# Altium PCB NURIP.PcbDoc (part 7 of 14)
Units mil, origin at the board's own origin, x right, y up, seen from the top; angles counter-clockwise.
Board outline 7096.64 x 6702.94 mil, 6 copper layers (L1, L2, L3, L4, L5, L6), stack 48.469 mil thick; 305 components, 426 nets, 2172 pads, 1040 vias.
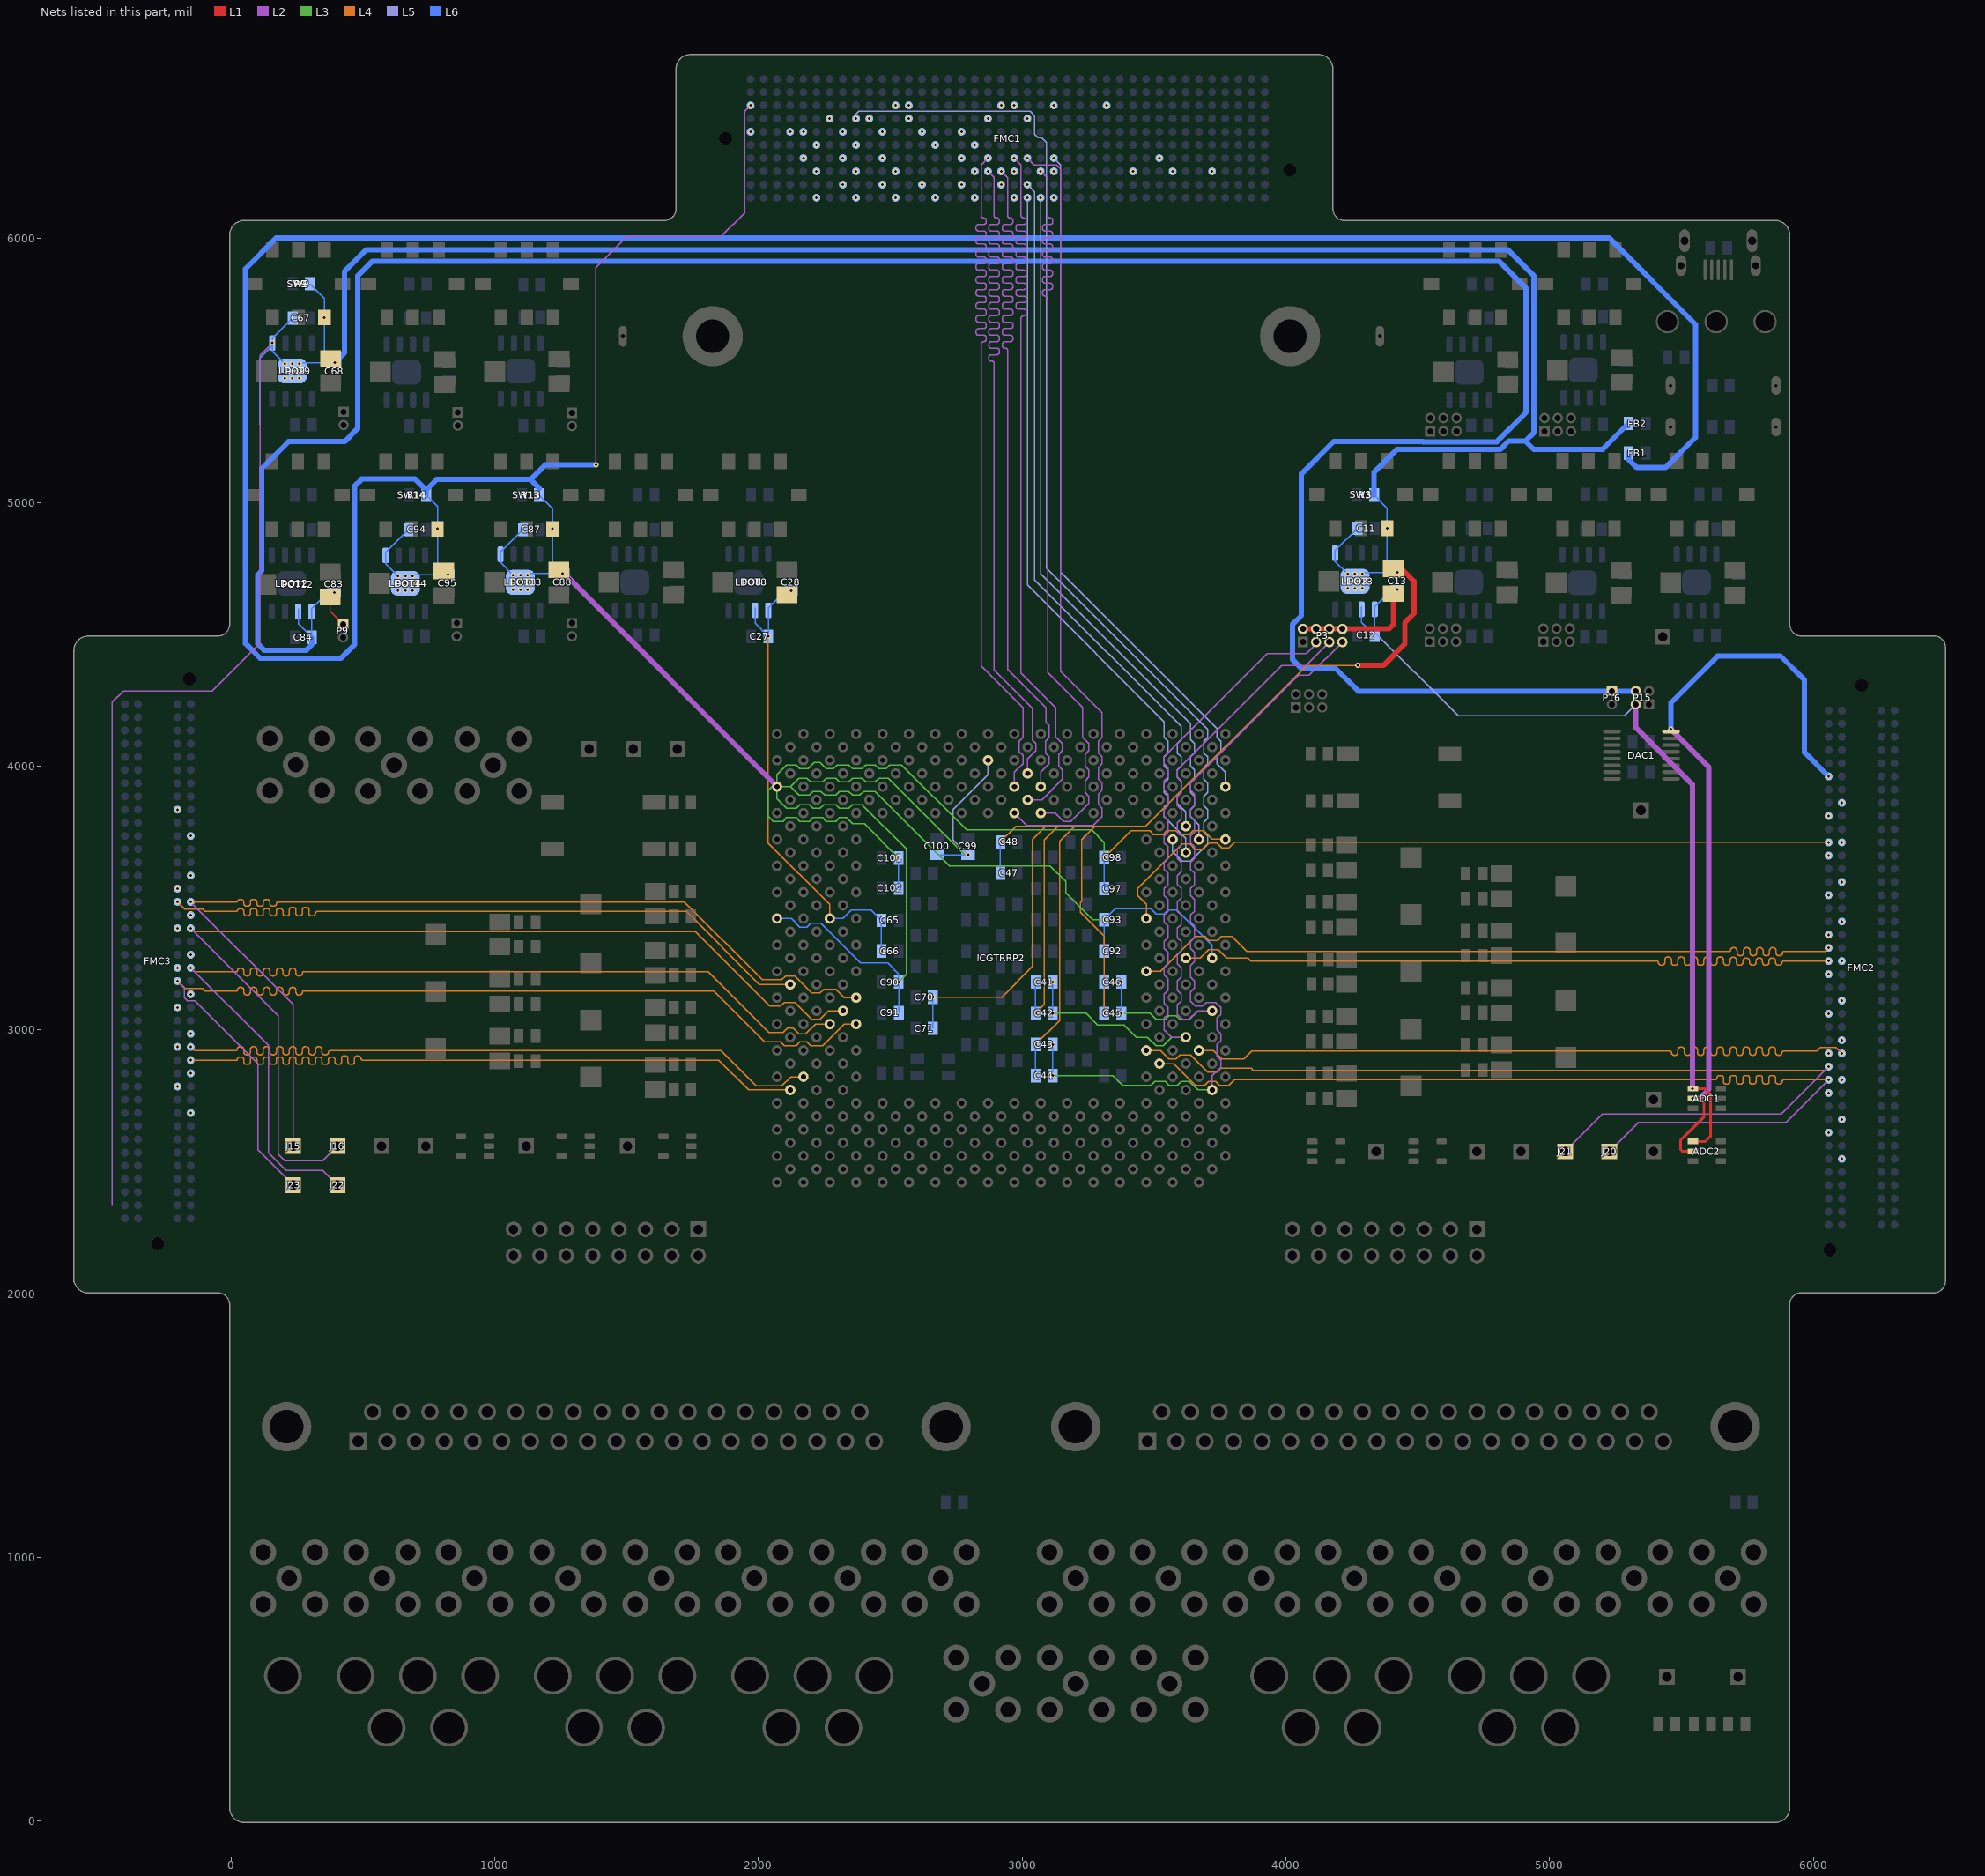
[diagram p11: the nets of this part, all layers, seen from the top]

## Via types
v1: diameter 20, hole 10, L1 to L6, tented both sides, 908 vias
v2: diameter 19.68, hole 7.87, L1 to L6, 126 vias
v3: diameter 196.85, hole 118.11, L1 to L6, 6 vias

## Nets (pads, with @x,y where several pads share a name; then routed paths per layer and width w, separated by ;. In a path a pad name is that pad's centre, name@x,y a point inside that pad or via, vN(x,y) a via of type N, cw(c..) or ccw(c..) an arc to the next point about the centre after c; other vN are vias at no path point) (continued)
CLK_LATCH_C: FMC2.G27 ICGTRRP2.L3 | length 2847.3
  L4 w5: ICGTRRP2.L3@3670.71,2922.2 3725.19,2922.2 3757.38,2890.02 3840.81,2890.02 3870.08,2919.29 5457.07,2919.29 cw(c5457.07,2914.65) 5461.71,2914.65 ccw(c5472.82,2914.65) 5472.82,2903.54 5475.29,2903.54 ccw(c5475.29,2914.65) 5486.4,2914.65 5486.4,2923.93 cw(c5497.51,2923.93) 5497.51,2935.04 5499.98,2935.04 cw(c5499.98,2923.93) 5511.08,2923.93 5511.08,2914.65 ccw(c5522.19,2914.65) 5522.19,2903.54 5524.66,2903.54 ccw(c5524.66,2914.65) 5535.77,2914.65 5535.77,2923.93 cw(c5546.88,2923.93) 5546.88,2935.04 5549.35,2935.04 cw(c5549.35,2923.93) 5560.45,2923.93 5560.45,2914.65 ccw(c5571.56,2914.65) 5571.56,2903.54 5574.03,2903.54 ccw(c5574.03,2914.65) 5585.14,2914.65 5585.14,2923.93 cw(c5596.25,2923.93) 5596.25,2935.04 5598.72,2935.04 cw(c5598.72,2923.93) 5609.82,2923.93 5609.82,2914.65 ccw(c5620.93,2914.65) 5620.93,2903.54 5623.4,2903.54 ccw(c5623.4,2914.65) 5634.51,2914.65 5634.51,2923.93 cw(c5645.62,2923.93) 5645.62,2935.04 5648.09,2935.04 cw(c5648.09,2923.93) 5659.19,2923.93 5659.19,2914.65 ccw(c5670.3,2914.65) 5670.3,2903.54 5672.77,2903.54 ccw(c5672.77,2914.65) 5683.88,2914.65 5683.88,2923.93 cw(c5694.99,2923.93) 5694.99,2935.04 5697.46,2935.04 cw(c5697.46,2923.93) 5708.56,2923.93 5708.56,2914.65 ccw(c5719.67,2914.65) 5719.67,2903.54 5722.14,2903.54 ccw(c5722.14,2914.65) 5733.25,2914.65 5733.25,2923.93 cw(c5744.36,2923.93) 5744.36,2935.04 5746.83,2935.04 cw(c5746.83,2923.93) 5757.93,2923.93 5757.93,2914.65 ccw(c5769.04,2914.65) 5769.04,2903.54 5771.51,2903.54 ccw(c5771.51,2914.65) 5782.62,2914.65 5782.62,2923.93 cw(c5793.73,2923.93) 5793.73,2935.04 5796.2,2935.04 cw(c5796.2,2923.93) 5807.3,2923.93 5807.3,2914.65 ccw(c5818.41,2914.65) 5818.41,2903.54 5820.88,2903.54 ccw(c5820.88,2914.65) 5831.99,2914.65 5831.99,2923.93 cw(c5843.1,2923.93) 5843.1,2935.04 5845.57,2935.04 cw(c5845.57,2923.93) 5856.67,2923.93 5856.67,2914.65 ccw(c5867.78,2914.65) 5867.78,2903.54 5870.25,2903.54 ccw(c5870.25,2914.65) 5881.36,2914.65 cw(c5886,2914.65) 5886,2919.29 6013.78,2919.29 6027.85,2933.37 6085.57,2933.37 v1(6108.07,2910.87)
CLK_LATCH_D: FMC3.G25 ICGTRRP2.T34 | length 2697.1
  L4 w5: v1(-202.56,3485.2) -175.06,3457.7 -107.3,3457.7 -98.43,3448.82 22.15,3448.82 ccw(c22.15,3450.83) 24.15,3450.83 cw(c32.79,3450.83) 32.79,3459.47 40.2,3459.47 cw(c40.2,3450.83) 48.84,3450.83 48.84,3441.71 ccw(c57.48,3441.71) 57.48,3433.07 64.88,3433.07 ccw(c64.88,3441.71) 73.52,3441.71 73.52,3450.83 cw(c82.16,3450.83) 82.16,3459.47 89.57,3459.47 cw(c89.57,3450.83) 98.21,3450.83 98.21,3441.71 ccw(c106.85,3441.71) 106.85,3433.07 114.25,3433.07 ccw(c114.25,3441.71) 122.89,3441.71 122.89,3450.83 cw(c131.53,3450.83) 131.53,3459.47 138.94,3459.47 cw(c138.94,3450.83) 147.58,3450.83 147.58,3441.71 ccw(c156.22,3441.71) 156.22,3433.07 163.62,3433.07 ccw(c163.62,3441.71) 172.26,3441.71 172.26,3450.83 cw(c180.9,3450.83) 180.9,3459.47 188.31,3459.47 cw(c188.31,3450.83) 196.95,3450.83 196.95,3441.71 ccw(c205.59,3441.71) 205.59,3433.07 212.99,3433.07 ccw(c212.99,3441.71) 221.63,3441.71 221.63,3455.93 cw(c230.27,3455.93) 230.27,3464.57 237.68,3464.57 cw(c237.68,3455.93) 246.32,3455.93 246.32,3441.71 ccw(c254.96,3441.71) 254.96,3433.07 262.36,3433.07 ccw(c262.36,3441.71) 271,3441.71 271,3455.93 cw(c279.64,3455.93) 279.64,3464.57 287.05,3464.57 cw(c287.05,3455.93) 295.69,3455.93 295.69,3441.71 ccw(c304.33,3441.71) 304.33,3433.07 311.73,3433.07 ccw(c311.73,3441.71) 320.37,3441.71 cw(c327.48,3441.71) 327.48,3448.82 1727.03,3448.82 2003.64,3172.2 ICGTRRP2.T34@2120.71,3172.2
CLK_SPI: FMC2.H20 ICGTRRP2.V4 | length 2853
  L4 w5: ICGTRRP2.V4@3620.71,3272.2 3675.19,3272.2 3707.38,3304.39 3743.01,3304.39 3775.74,3271.65 3856.3,3271.65 3867.09,3260.87 5407.7,3260.87 cw(c5407.7,3256.23) 5412.34,3256.28 ; 5412.34,3256.23 ccw(c5423.45,3256.28) 5423.45,3245.17 5425.92,3245.17 ccw(c5425.92,3256.28) 5437.03,3256.28 5437.03,3265.45 cw(c5448.14,3265.45) 5448.14,3276.56 5450.61,3276.56 cw(c5450.61,3265.45) 5461.71,3265.45 5461.71,3256.28 ccw(c5472.82,3256.28) 5472.82,3245.17 5475.29,3245.17 ccw(c5475.29,3256.28) 5486.4,3256.28 5486.4,3265.45 cw(c5497.51,3265.45) 5497.51,3276.56 5499.98,3276.56 cw(c5499.98,3265.45) 5511.08,3265.45 5511.08,3256.28 ccw(c5522.19,3256.28) 5522.19,3245.17 5524.66,3245.17 ccw(c5524.66,3256.28) 5535.77,3256.28 5535.77,3265.45 cw(c5546.88,3265.45) 5546.88,3276.56 5549.35,3276.56 cw(c5549.35,3265.45) 5560.45,3265.45 5560.45,3256.28 ccw(c5571.56,3256.28) 5571.56,3245.17 5574.03,3245.17 ccw(c5574.03,3256.28) 5585.14,3256.28 5585.14,3265.45 cw(c5596.25,3265.45) 5596.25,3276.56 5598.72,3276.56 cw(c5598.72,3265.45) 5609.82,3265.45 5609.82,3256.28 ccw(c5620.93,3256.28) 5620.93,3245.17 5623.4,3245.17 ccw(c5623.4,3256.28) 5634.51,3256.28 5634.51,3265.45 cw(c5645.62,3265.45) 5645.62,3276.56 5648.09,3276.56 cw(c5648.09,3265.45) 5659.19,3265.45 5659.19,3256.28 ccw(c5670.3,3256.28) 5670.3,3245.17 5672.77,3245.17 ccw(c5672.77,3256.28) 5683.88,3256.28 5683.88,3264.27 cw(c5694.99,3264.27) 5694.99,3275.37 5697.46,3275.37 cw(c5697.46,3264.27) 5708.56,3264.27 5708.56,3256.28 ccw(c5719.67,3256.28) 5719.67,3245.17 5722.14,3245.17 ccw(c5722.14,3256.28) 5733.25,3256.28 5733.25,3261.33 cw(c5744.36,3261.33) 5744.36,3272.43 5746.83,3272.43 cw(c5746.83,3261.33) 5757.93,3261.33 5757.93,3256.28 ccw(c5769.04,3256.28) 5769.04,3245.17 5771.51,3245.17 ccw(c5771.51,3256.28) 5782.62,3256.28 5782.62,3261.33 cw(c5793.73,3261.33) 5793.73,3272.43 5796.2,3272.43 cw(c5796.2,3261.33) 5807.3,3261.33 5807.3,3256.28 ccw(c5818.41,3256.28) 5818.41,3245.17 5820.88,3245.17 ccw(c5820.88,3256.28) 5831.99,3256.28 5831.99,3261.33 cw(c5843.1,3261.33) 5843.1,3272.43 5845.57,3272.43 cw(c5845.57,3261.33) 5856.67,3261.33 5856.67,3256.23 ccw(c5867.78,3256.23) 5867.78,3245.12 5870.25,3245.12 ccw(c5870.25,3256.23) 5881.36,3256.23 cw(c5886,3256.23) 5886,3260.87 v1(6058.07,3260.87)
CPU_EN: FMC1.G24 ICGTRRP2.AL1 | length 2664.1
  L5 w5: v1(3120.24,6304.92) 3145.63,6279.53 3145.63,4736.26 3738.52,4143.37 3738.52,4108.87 3752.89,4094.5 3752.89,4054.24 3738.52,4039.87 3738.52,4008.87 3770.71,3976.69 ICGTRRP2.AL1@3770.71,3922.2
CPU_EXT_IRQ: FMC1.K23 ICGTRRP2.AG3 | length 2717.2
  L5 w5: v1(3070.24,6154.92) 3070.24,4728.98 3637.8,4161.42 3637.8,4100.63 3652.89,4085.54 3652.89,4049.91 3638.52,4035.54 3638.52,3999.91 3652.89,3985.54 3652.89,3949.91 3638.52,3935.54 3638.52,3899.91 3652.89,3885.54 3652.89,3849.91 3638.52,3835.54 3638.52,3808.87 3670.71,3776.69 ICGTRRP2.AG3@3670.71,3722.2
D: FMC2.H29 ICGTRRP2.K6 J20.1 | length 3770.8
  L2 w5: J20.1@5226.38,2539.37 5336.61,2649.61 5896.81,2649.61 v1(6058.07,2810.87)
  L4 w5: ICGTRRP2.K6@3520.71,2872.2 3575.19,2872.2 3657.38,2790.02 3692.36,2790.02 3706.73,2804.39 3734.04,2804.39 3748.41,2790.02 3784.04,2790.02 3804.89,2810.87 5627.4,2810.87 ccw(c5627.4,2817.97) 5634.51,2817.97 cw(c5643.15,2817.97) 5643.15,2826.61 5650.55,2826.61 cw(c5650.55,2817.97) 5659.19,2817.97 5659.19,2803.76 ccw(c5667.83,2803.76) 5667.83,2795.12 5675.24,2795.12 ccw(c5675.24,2803.76) 5683.88,2803.76 5683.88,2817.97 cw(c5692.52,2817.97) 5692.52,2826.61 5699.92,2826.61 cw(c5699.92,2817.97) 5708.56,2817.97 5708.56,2803.76 ccw(c5717.2,2803.76) 5717.2,2795.12 5724.61,2795.12 ccw(c5724.61,2803.76) 5733.25,2803.76 5733.25,2817.97 cw(c5741.89,2817.97) 5741.89,2826.61 5749.29,2826.61 cw(c5749.29,2817.97) 5757.93,2817.97 5757.93,2803.76 ccw(c5766.57,2803.76) 5766.57,2795.12 5773.98,2795.12 ccw(c5773.98,2803.76) 5782.62,2803.76 5782.62,2817.97 cw(c5791.26,2817.97) 5791.26,2826.61 5798.66,2826.61 cw(c5798.66,2817.97) 5807.3,2817.97 5807.3,2803.76 ccw(c5815.94,2803.76) 5815.94,2795.12 5823.35,2795.12 ccw(c5823.35,2803.76) 5831.99,2803.76 5831.99,2817.97 cw(c5840.63,2817.97) 5840.63,2826.61 5848.03,2826.61 cw(c5848.03,2817.97) 5856.67,2817.97 5856.67,2803.76 ccw(c5865.31,2803.76) 5865.31,2795.12 5872.72,2795.12 ccw(c5872.72,2803.76) 5881.36,2803.76 cw(c5888.47,2803.76) 5888.47,2810.87 v1(6058.07,2810.87)
D\: FMC2.H28 ICGTRRP2.L7 J21.1 | length 3780.7
  L2 w5: J21.1@5059.06,2539.37 5200.79,2681.1 5878.31,2681.1 v1(6058.07,2860.87)
  L4 w5: ICGTRRP2.L7@3470.71,2922.2 3525.19,2922.2 3557.38,2890.02 3584.04,2890.02 3598.41,2904.39 3638.52,2904.39 3702.89,2840.02 3739.6,2840.02 3753.97,2854.39 3868.17,2854.39 3876.1,2846.46 6043.66,2846.46 v1(6058.07,2860.87)
D\_buff1: FMC3.H23 ICGTRRP2.P30 J16.1 | length 3892.4
  L2 w5: v1(-152.56,3385.2) 179.13,3053.5 179.13,2529.53 204.72,2503.94 348.43,2503.94 J16.1@403.54,2559.06
  L4 w5: v1(-152.56,3385.2) -139.41,3372.05 1761.37,3372.05 2043.4,3090.02 2084.04,3090.02 2098.41,3104.39 2137.74,3104.39 2202.11,3040.02 2234.04,3040.02 2266.23,3072.2 ICGTRRP2.P30@2320.71,3072.2
D\_buff2: FMC3.G19 ICGTRRP2.N29 J23.1 | length 3884.6
  L2 w5: v1(-202.56,3185.2) -177.17,3159.8 -177.17,3122.05 -165.35,3110.24 -135.83,3110.24 102.36,2872.05 102.36,2545.28 J23.1@236.22,2411.42
  L4 w5: v1(-202.56,3185.2) -175.06,3157.7 -108.48,3157.7 -98.43,3147.64 22.32,3147.64 ccw(c22.32,3149.47) 24.15,3149.47 cw(c36.5,3149.47) 36.5,3161.81 cw(c36.5,3149.47) 48.84,3149.47 48.84,3144.23 ccw(c61.18,3144.23) 61.18,3131.89 ccw(c61.18,3144.23) 73.52,3144.23 73.52,3149.47 cw(c85.87,3149.47) 85.87,3161.81 cw(c85.87,3149.47) 98.21,3149.47 98.21,3144.23 ccw(c110.55,3144.23) 110.55,3131.89 ccw(c110.55,3144.23) 122.89,3144.23 122.89,3149.47 cw(c135.24,3149.47) 135.24,3161.81 cw(c135.24,3149.47) 147.58,3149.47 147.58,3144.23 ccw(c159.92,3144.23) 159.92,3131.89 ccw(c159.92,3144.23) 172.26,3144.23 172.26,3149.47 cw(c184.61,3149.47) 184.61,3161.81 cw(c184.61,3149.47) 196.95,3149.47 196.95,3144.23 ccw(c209.29,3144.23) 209.29,3131.89 ccw(c209.29,3144.23) 221.63,3144.23 221.63,3149.47 cw(c233.98,3149.47) 233.98,3161.81 cw(c233.98,3149.47) 246.32,3149.47 246.32,3144.23 ccw(c258.66,3144.23) 258.66,3131.89 ccw(c258.66,3144.23) 271,3144.23 cw(c274.41,3144.23) 274.41,3147.64 1830.71,3147.64 2023.96,2954.39 2084.04,2954.39 2098.41,2940.02 2143.01,2940.02 2157.38,2954.39 2184.04,2954.39 2198.41,2940.02 2243.01,2940.02 2325.19,3022.2 ICGTRRP2.N29@2370.71,3022.2
D_buff1: FMC3.H25 ICGTRRP2.R29 J15.1 | length 3884.9
  L2 w5: v1(-152.56,3485.2) 236.22,3096.42 J15.1@236.22,2559.06
  L4 w5: v1(-152.56,3485.2) 24.15,3485.2 24.15,3485.44 cw(c32.79,3485.44) 32.79,3494.08 40.2,3494.08 cw(c40.2,3485.44) 48.84,3485.44 48.84,3478.09 ccw(c57.48,3478.09) 57.48,3469.45 64.88,3469.45 ccw(c64.88,3478.09) 73.52,3478.09 73.52,3485.44 cw(c82.16,3485.44) 82.16,3494.08 89.57,3494.08 cw(c89.57,3485.44) 98.21,3485.44 98.21,3478.09 ccw(c106.85,3478.09) 106.85,3469.45 114.25,3469.45 ccw(c114.25,3478.09) 122.89,3478.09 122.89,3485.44 cw(c131.53,3485.44) 131.53,3494.08 138.94,3494.08 cw(c138.94,3485.44) 147.58,3485.44 147.58,3478.09 ccw(c156.22,3478.09) 156.22,3469.45 163.62,3469.45 ccw(c163.62,3478.09) 172.26,3478.09 cw(c179.37,3478.09) 179.37,3485.2 1719.53,3485.2 2014.7,3190.02 2088.31,3190.02 2102.68,3204.39 2138.13,3204.39 2202.5,3140.02 2234.04,3140.02 2248.41,3154.39 2293.01,3154.39 2325.19,3122.2 ICGTRRP2.R29@2370.71,3122.2
D_buff2: FMC3.H20 ICGTRRP2.N31 J22.1 | length 3884.7
  L2 w5: v1(-152.56,3235.2) 141.73,2940.91 141.73,2533.46 208.66,2466.54 348.43,2466.54 J22.1@403.54,2411.42
  L4 w5: v1(-152.56,3235.2) -137.83,3220.47 22.03,3220.47 ccw(c22.03,3222.59) 24.15,3222.59 cw(c35.26,3222.59) 35.26,3233.7 37.73,3233.7 cw(c37.73,3222.59) 48.84,3222.59 48.84,3215.83 ccw(c59.95,3215.83) 59.95,3204.72 62.42,3204.72 ccw(c62.42,3215.83) 73.52,3215.83 73.52,3222.59 cw(c84.63,3222.59) 84.63,3233.7 87.1,3233.7 cw(c87.1,3222.59) 98.21,3222.59 98.21,3215.83 ccw(c109.32,3215.83) 109.32,3204.72 111.79,3204.72 ccw(c111.79,3215.83) 122.89,3215.83 122.89,3222.59 cw(c134,3222.59) 134,3233.7 136.47,3233.7 cw(c136.47,3222.59) 147.58,3222.59 147.58,3215.83 ccw(c158.69,3215.83) 158.69,3204.72 161.16,3204.72 ccw(c161.16,3215.83) 172.26,3215.83 172.26,3222.59 cw(c183.37,3222.59) 183.37,3233.7 185.84,3233.7 cw(c185.84,3222.59) 196.95,3222.59 196.95,3215.83 ccw(c208.06,3215.83) 208.06,3204.72 210.53,3204.72 ccw(c210.53,3215.83) 221.63,3215.83 221.63,3222.59 cw(c232.74,3222.59) 232.74,3233.7 235.21,3233.7 cw(c235.21,3222.59) 246.32,3222.59 246.32,3215.83 ccw(c257.43,3215.83) 257.43,3204.72 259.9,3204.72 ccw(c259.9,3215.83) 271,3215.83 cw(c275.64,3215.83) 275.64,3220.47 1809.06,3220.47 2039.51,2990.02 2093.01,2990.02 2110.19,3007.2 2131.23,3007.2 2154.18,2984.25 2178.27,2984.25 2216.23,3022.2 ICGTRRP2.N31@2270.71,3022.2
DAC_VDD: C83.1 C84.1 LDO12.1 LDO12.2 P9.1 P15.4 P16.1 POT12.3 | length 10381.6
  L1 w5: POT12.3@375.98,4641.73 375.98,4587.4 P9.1@425.2,4538.19
  L6 w5: LDO12.2@255.32,4596.46 255.32,4539.96 305.32,4489.96 305.32,4596.46 366.34,4657.48 v1(391.73,4657.48)
  L6 w20: C84.1@307.09,4488.19 307.09,4460.63 286.22,4439.76 125.2,4439.76 101.89,4463.07 101.89,4726.38 116.61,4741.1 116.61,5128.43 218.5,5230.31 431.1,5230.31 480.32,5279.53 480.32,5858.27 535.43,5913.39 4809.06,5913.39 4910.94,5811.5 4910.94,5341.17 4799.78,5230 4519.27,5230 4518.49,5230.79 4181.57,5230.79 4059.06,5108.27 4059.06,4571.08 4024.88,4536.91 4024.88,4404.25 4057.09,4372.05 4187.01,4372.05 4274.8,4284.25 P15.4@5326.77,4284.25
DATA_IN_SPI: FMC2.H19 ICGTRRP2.U7 | length 2847.7
  L4 w5: ICGTRRP2.U7@3470.71,3222.2 3525.19,3222.2 3657.38,3354.39 3693.01,3354.39 3707.38,3340.02 3741.59,3340.02 3755.96,3354.39 3795.22,3354.39 3852.36,3297.24 5682.17,3297.24 ccw(c5682.17,3300.92) 5685.85,3300.92 cw(c5696.95,3300.92) 5696.95,3312.02 5699.42,3312.02 cw(c5699.42,3300.92) 5710.53,3300.92 5710.53,3292.6 ccw(c5721.64,3292.6) 5721.64,3281.5 5724.11,3281.5 ccw(c5724.11,3292.6) 5735.22,3292.6 5735.22,3300.92 cw(c5746.33,3300.92) 5746.33,3312.02 5748.79,3312.02 cw(c5748.79,3300.92) 5759.9,3300.92 5759.9,3292.6 ccw(c5771.01,3292.6) 5771.01,3281.5 5773.48,3281.5 ccw(c5773.48,3292.6) 5784.59,3292.6 5784.59,3300.92 cw(c5795.69,3300.92) 5795.69,3312.02 5798.16,3312.02 cw(c5798.16,3300.92) 5809.27,3300.92 5809.27,3292.6 ccw(c5820.38,3292.6) 5820.38,3281.5 5822.85,3281.5 ccw(c5822.85,3292.6) 5833.96,3292.6 5833.96,3300.92 cw(c5845.07,3300.92) 5845.07,3312.02 5847.53,3312.02 cw(c5847.53,3300.92) 5858.64,3300.92 5858.64,3292.6 ccw(c5869.75,3292.6) 5869.75,3281.5 5872.22,3281.5 ccw(c5872.22,3292.6) 5883.33,3292.6 cw(c5887.97,3292.6) 5887.97,3297.24 6044.45,3297.24 v1(6058.07,3310.87)
DATA_OUT_1: FMC3.H13 ICGTRRP2.H34 | length 2698.8
  L4 w5: v1(-152.56,2885.2) 21.72,2885.2 ccw(c21.72,2887.64) 24.15,2887.64 cw(c32.79,2887.64) 32.79,2896.28 40.2,2896.28 cw(c40.2,2887.64) 48.84,2887.64 48.84,2878.09 ccw(c57.48,2878.09) 57.48,2869.45 64.88,2869.45 ccw(c64.88,2878.09) 73.52,2878.09 73.52,2887.64 cw(c82.16,2887.64) 82.16,2896.28 89.57,2896.28 cw(c89.57,2887.64) 98.21,2887.64 98.21,2878.09 ccw(c106.85,2878.09) 106.85,2869.45 114.25,2869.45 ccw(c114.25,2878.09) 122.89,2878.09 122.89,2887.64 cw(c131.53,2887.64) 131.53,2896.28 138.94,2896.28 cw(c138.94,2887.64) 147.58,2887.64 147.58,2878.09 ccw(c156.22,2878.09) 156.22,2869.45 163.62,2869.45 ccw(c163.62,2878.09) 172.26,2878.09 172.26,2887.64 cw(c180.9,2887.64) 180.9,2896.28 188.31,2896.28 cw(c188.31,2887.64) 196.95,2887.64 196.95,2878.09 ccw(c205.59,2878.09) 205.59,2869.45 212.99,2869.45 ccw(c212.99,2878.09) 221.63,2878.09 221.63,2887.64 cw(c230.27,2887.64) 230.27,2896.28 237.68,2896.28 cw(c237.68,2887.64) 246.32,2887.64 246.32,2878.09 ccw(c254.96,2878.09) 254.96,2869.45 262.36,2869.45 ccw(c262.36,2878.09) 271,2878.09 271,2887.64 cw(c279.64,2887.64) 279.64,2896.28 287.05,2896.28 cw(c287.05,2887.64) 295.69,2887.64 295.69,2878.09 ccw(c304.33,2878.09) 304.33,2869.45 311.73,2869.45 ccw(c311.73,2878.09) 320.37,2878.09 320.37,2887.64 cw(c329.01,2887.64) 329.01,2896.28 336.42,2896.28 cw(c336.42,2887.64) 345.06,2887.64 345.06,2878.09 ccw(c353.7,2878.09) 353.7,2869.45 361.1,2869.45 ccw(c361.1,2878.09) 369.74,2878.09 369.74,2887.64 cw(c378.38,2887.64) 378.38,2896.28 385.79,2896.28 cw(c385.79,2887.64) 394.43,2887.64 394.43,2878.09 ccw(c403.07,2878.09) 403.07,2869.45 410.47,2869.45 ccw(c410.47,2878.09) 419.11,2878.09 419.11,2892.31 cw(c427.75,2892.31) 427.75,2900.94 435.16,2900.94 cw(c435.16,2892.31) 443.8,2892.31 443.8,2878.09 ccw(c452.44,2878.09) 452.44,2869.45 459.84,2869.45 ccw(c459.84,2878.09) 468.48,2878.09 468.48,2892.31 cw(c477.12,2892.31) 477.12,2900.94 484.53,2900.94 cw(c484.53,2892.31) 493.17,2892.31 ccw(c500.28,2892.31) 500.28,2885.2 1850.14,2885.2 1963.14,2772.2 ICGTRRP2.H34@2120.71,2772.2
DATA_OUT_2: FMC3.H14 ICGTRRP2.J33 | length 2700.4
  L4 w5: v1(-152.56,2935.2) -138.62,2921.26 19.11,2921.26 ccw(c19.11,2926.3) 24.15,2926.3 cw(c34.03,2926.3) 34.03,2936.17 38.96,2936.17 cw(c38.96,2926.3) 48.84,2926.3 48.84,2915.57 ccw(c58.71,2915.57) 58.71,2905.7 63.65,2905.7 ccw(c63.65,2915.57) 73.52,2915.57 73.52,2926.12 cw(c83.4,2926.12) 83.4,2935.99 88.33,2935.99 cw(c88.33,2926.12) 98.21,2926.12 98.21,2915.57 ccw(c108.08,2915.57) 108.08,2905.7 113.02,2905.7 ccw(c113.02,2915.57) 122.89,2915.57 122.89,2926.12 cw(c132.77,2926.12) 132.77,2935.99 137.7,2935.99 cw(c137.7,2926.12) 147.58,2926.12 147.58,2915.57 ccw(c157.45,2915.57) 157.45,2905.7 162.39,2905.7 ccw(c162.39,2915.57) 172.26,2915.57 172.26,2926.12 cw(c182.14,2926.12) 182.14,2935.99 187.07,2935.99 cw(c187.07,2926.12) 196.95,2926.12 196.95,2915.57 ccw(c206.82,2915.57) 206.82,2905.7 211.76,2905.7 ccw(c211.76,2915.57) 221.63,2915.57 221.63,2926.12 cw(c231.51,2926.12) 231.51,2935.99 236.44,2935.99 cw(c236.44,2926.12) 246.32,2926.12 246.32,2915.57 ccw(c256.19,2915.57) 256.19,2905.7 261.13,2905.7 ccw(c261.13,2915.57) 271,2915.57 271,2926.12 cw(c280.88,2926.12) 280.88,2935.99 285.81,2935.99 cw(c285.81,2926.12) 295.69,2926.12 295.69,2915.57 ccw(c305.56,2915.57) 305.56,2905.7 310.5,2905.7 ccw(c310.5,2915.57) 320.37,2915.57 320.37,2926.12 cw(c330.25,2926.12) 330.25,2935.99 335.18,2935.99 cw(c335.18,2926.12) 345.06,2926.12 345.06,2915.57 ccw(c354.93,2915.57) 354.93,2905.7 359.87,2905.7 ccw(c359.87,2915.57) 369.74,2915.4 ; ICGTRRP2.J33@2170.71,2822.2 2123.39,2822.2 2088.58,2787.4 1992.13,2787.4 1858.27,2921.26 375.62,2921.26 ccw(c375.62,2915.39) 369.75,2915.56 ; 369.74,2915.4 cw(c375.62,2915.39) 369.75,2915.56 ; 369.74,2915.4 ccw(c359.87,2915.57) 369.74,2915.56 ; 369.74,2915.4 369.74,2915.56
DATA_OUT_PSI: FMC2.H11 ICGTRRP2.AA7 | length 2852.9
  L4 w5: ICGTRRP2.AA7@3470.71,3422.2 3470.71,3476.69 3438.52,3508.87 3438.52,3536.95 3605.96,3704.39 3636.16,3704.39 3657.48,3683.07 3683.07,3683.07 3708.87,3708.87 3738.52,3708.87 3757.38,3690.02 3784.04,3690.02 3804.89,3710.87 v1(6058.07,3710.87)
DBG_EN: FMC1.D9 ICGTRRP2.AG5 | length 4014.5
  L5 w5: v1(2370.24,6454.92) 2370.24,6473.1 2380.65,6483.52 2381.89,6482.28 3030.02,6482.28 3047.74,6464.57 3047.74,6395.6 3060.92,6382.42 3074.56,6382.42 3092.74,6364.24 3092.74,6145.6 3092.52,6145.38 3092.52,4750 3702.89,4139.63 3702.89,4108.41 3688.52,4094.04 3688.52,4049.91 3702.89,4035.54 3702.89,4008.87 3688.52,3994.5 3688.52,3949.91 3702.89,3935.54 3702.89,3899.91 3688.52,3885.54 3688.52,3849.91 3702.89,3835.54 3702.89,3801.32 3688.52,3786.95 3688.52,3749.91 3702.89,3735.54 3702.89,3704.86 3638.05,3640.02 3607.38,3640.02 3570.71,3676.69 ICGTRRP2.AG5@3570.71,3722.2
DBG_UART_RXD: FMC1.J22 ICGTRRP2.AH4 | length 2717.2
  L5 w5: v1(3020.24,6204.92) 3047.74,6177.42 3047.74,4706.2 3602.89,4151.04 3602.89,4099.91 3588.52,4085.54 3588.52,4049.91 3602.89,4035.54 3602.89,3999.91 3588.52,3985.54 3588.52,3956.75 3602.89,3942.38 3602.89,3899.91 3588.52,3885.54 3588.52,3858.87 3620.71,3826.69 ICGTRRP2.AH4@3620.71,3772.2